# Allegro board LAY-38820_A.brd (continued)
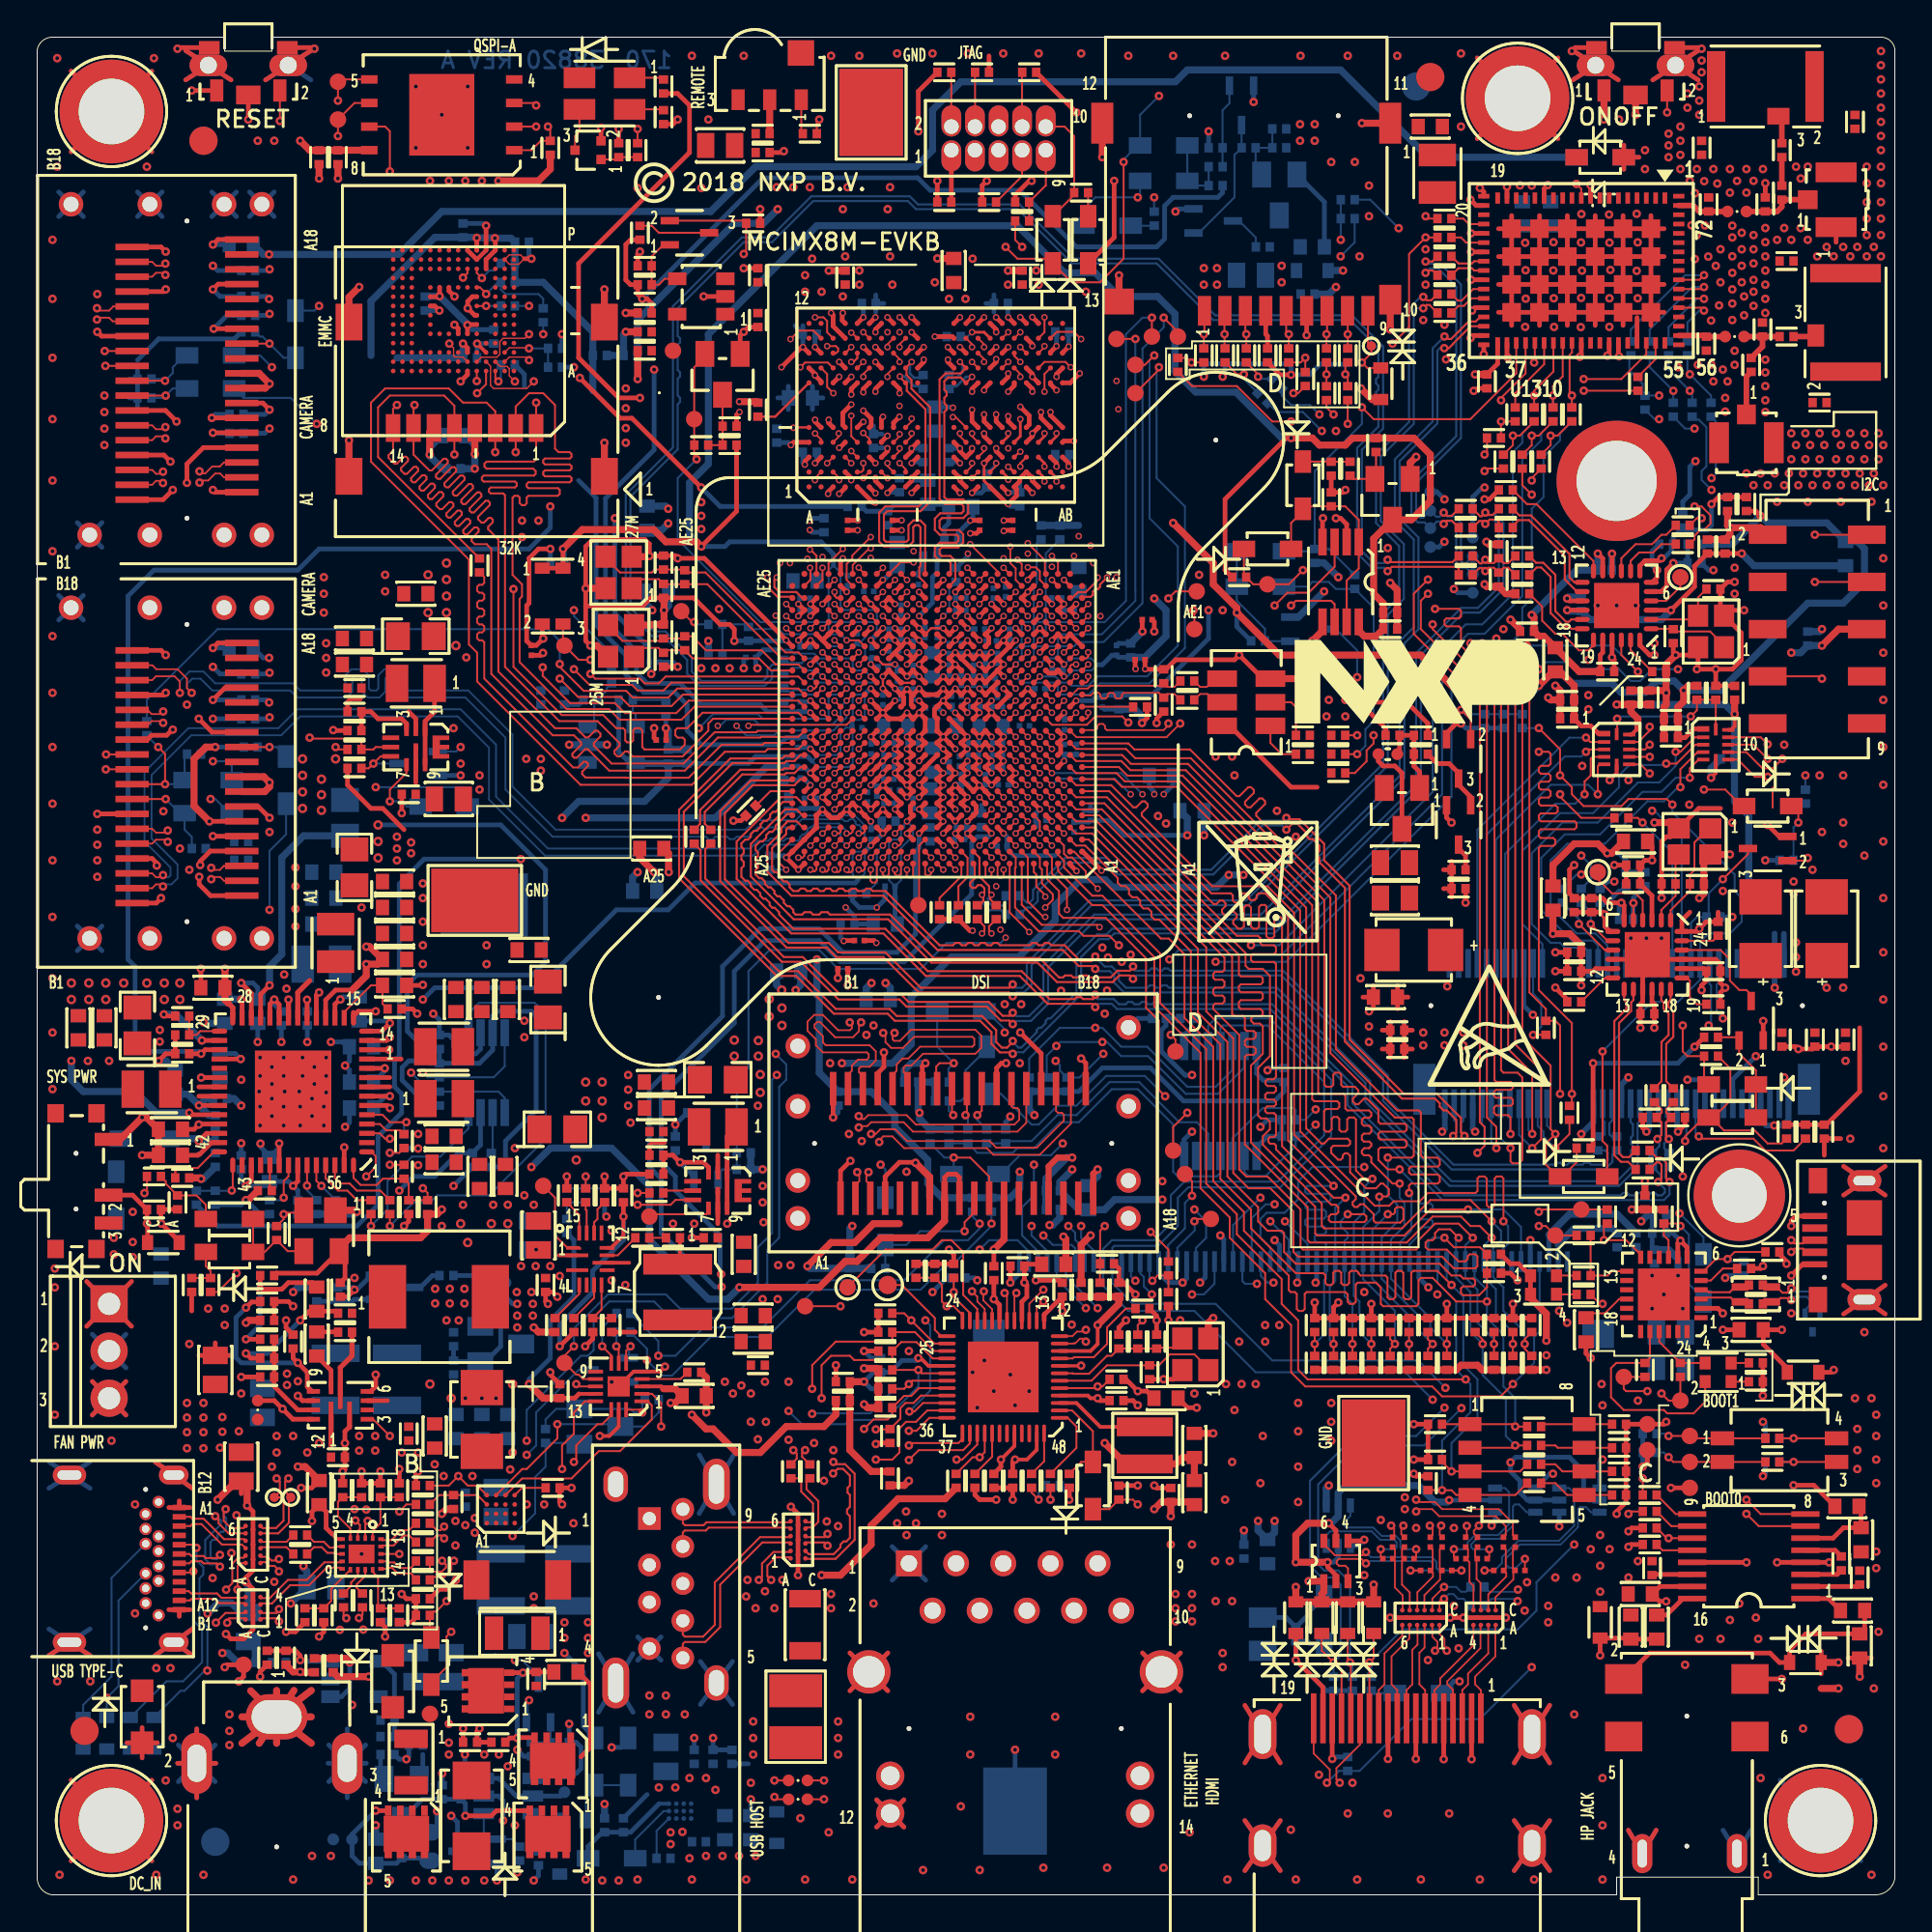
[diagram p0: board, top side]
## Nets (continued)
N99975431: C906.2 U902.C2
N99975460: C908.2 U902.C1
N99975526: R905.2 R912.1 U901.1
N99975530: R906.2 R911.1 U901.4
N99975542: R907.2 R910.1 U901.13
N99975546: R908.2 R909.1 U901.10
N99976142: U901.2 U903.C1
N99976173: U901.3 U903.C2
N99976175: U901.9 U903.C3
N99976189: U901.8 U903.C4
N100755622: C905.1 U901.7
N100755624: C907.1 U901.6
N100828512: D1001.A F1001.2 R1011.1
N101008434: R941.1 U907.7
N101008436: R940.1 U907.8
N101008611: Q906.3 R931.1 U906.B4
N101008640: C913.1 U906.D4
N101008651: C914.2 U907.4
N101008668: Q905.3 R924.2
N101008744: D905.A U906.B1 U906.B2 U906.C1
N101008815: Q901.4 Q902.3 R916.1 R944.2
N101008879: C936.1 D907.A Q901.5 Q910.5 R935.1
N101010200: Q903.2 R914.2 U910.1
N101020581: F902.2 Q909.5
N101061859: D904.A R917.2 R932.2 U905.A1
N101118681: D1602.C J1601.8 R1619.2
N101118689: D1603.C J1601.7 R1618.2
N101118780: D1605.C J1601.3 R1617.2
N101118786: D1606.C J1601.2 R1621.2
N101118794: D1607.C J1601.1 R1620.2
N101139325: D1704.A R1704.2 U1701.9
N101139407: C1707.1 U1701.16
N101139610: R1716.2 U1701.5(VIO)
N101140451: D1702.1 R1703.2
N101140453: D1702.3 R1702.2
N101141295: D1703.4(CATHODE2) R1708.2
N101141297: D1703.2 R1707.2
N101339716: D901.A R901.2 U901.16
N101344123: R903.2 R904.1 U909.3
N101430997: R926.2 U908.C1
N101431025: R927.2 U908.C2
N101784396: R416.2 TP409.1(TP) U101.W19 U401.2
N101800237: J1801.2 R1805.1
N101800242: C1801.1 C1802.1 J1801.1 R1801.1 R1804.2 R1805.2
N101814214: D1201.A R1224.2 U1201.2
N101840031: C407.1 R415.2 R416.1 U401.3(VCC)
N101896717: Q906.1 Q907.3 R930.2
N101902831: Q907.2 R935.2 R946.1
N101995244: C1403.1 C1422.1 C1423.1 L1401.2 U1401.11 U1401.20
N101995252: C1430.1 U1401.2(X2) Y1401.3
N101995256: C1429.1 U1401.1 Y1401.1
N101995353: C1424.1 C1425.1 C1426.1 L1402.1 U1401.3 U1401.16
N101995404: R1421.1 U1401.13
N101995406: TP1401.1(PIN1) U1401.4
N101995408: R1422.1 U1401.14
N101995436: R1423.1 U1401.17
N101995453: R1424.1 U1401.18
N101995570: C1401.1 C1402.1 R1456.2 R1457.2 U1401.7
N101995643: R1412.2 U1401.19
N101995645: R1411.2 U1401.12
N101995688: R1405.2 U1401.23
N102026698: D1401.A D1402.A Q1401.2 R1419.2
N102081058: R841.1 R847.2 U801.2
N102081148: C803.1 D802.A R841.2
N102081821: D801.C D802.C R842.1 U802.1 U802.7
N102095920: R817.2 R823.2 SW802.4
N102095936: R818.2 R824.1 SW802.3(B2)
N102134491: R504.1 U101.A11
N102134913: R506.1 U101.B11
N102135237: R501.1 U101.G25
N102135239: R502.1 U101.C25
N102135943: R503.1 U101.P1
N102136255: R505.1 U101.C17
N102189491: C19.1 C20.1 L101.1 U101.E15 U101.F15
N102271152: R205.2 U101.AA13
N102841136: C917.2 U901.15
N102841139: C918.2 U901.14
N102841178: C920.2 U901.17
N102841181: C919.2 U901.18
N102841248: C922.2 U908.C6
N102841251: C921.2 U908.C5
N102880674: C1110.1 U1101.2
N102887128: C1111.2 U1101.14(VMID)
N102887637: R1101.1 U1101.16
N102887640: R1102.1 U1101.1
N102889416: C1109.1 U1101.5
N102889418: C1109.2 U1101.3
N102889692: R1109.1 U1101.12
N102889696: R1103.2 U1101.10
N102889754: R1104.2 U1101.9
N102924137: R510.1 Y501.4
N102924140: R511.1 Y501.5
N102924518: R508.2 Y501.1
N103556037: D1501.A J1501.A11 R1521.2
N103556044: D1508.A J1501.B8 R1520.2
N103556052: D1509.A J1501.B9 R1519.2
N103556123: J1501.B10 R1502.1
N103556124: J1501.B11 R1501.1
N103592100: J802.2 R843.2
N103620554: R747.1 U706.15
N103620610: C798.1 D706.C(CATHODE) R708.2 SW701.2 U701.12
N103620792: C705.2 L701.1 R703.1 U701.7
N103620806: R704.1 U701.8
N103620818: C705.1 R704.2
N103621061: R702.2 R705.2 R709.1 U701.11
N103621063: C712.1 R703.2 R705.1
N103621294: R706.2 R707.1 U701.6
N103621414: C787.2 L709.1 U706.9
N103621426: L702.1 U702.8 U702.9
N103621824: R731.2 U706.4
N103621960: C727.1 Q702.2 R715.2
N103622061: C788.1 R749.1 U706.7
N103622250: C731.1 C732.1 C733.1 C734.1 L702.2 SH701.1 U702.6
N103622993: R719.1 U702.53
N103622995: R721.1 U702.54
N103623013: R724.1 U702.4
N103623028: R722.1 U702.5
N103623139: C789.1 R744.2 R745.1 R746.1
N103623211: C793.1 U706.13
N103623424: TP704.1(TP) U706.1
N103623433: R743.1 U706.10
N103623437: C787.1 R743.2
N103623474: R744.1 U706.14
N103623492: C789.2 R745.2 R748.2
N103623566: C747.1 R725.1 U702.16
N103623739: C763.2 U702.42
N103623826: C756.2 D704.C(CATHODE) R756.2 U702.40
N103623850: C767.2 C770.1 U702.29
N103623981: C764.1 R757.1 U702.43
N103625600: Q1603.3 R1608.2
N103625608: D1608.A D1609.A R1612.2 R1613.1
N103625614: C1607.2 Q1602.1 R1607.2 R1611.1
N103625632: Q1603.2 Q1604.3 R1611.2
N103625713: C1611.1 Q1604.2 R1613.2
N103625807: Q1601.3 R1602.2
N103625812: Q1601.1(SOURCE) R1601.2 R1604.1 U1601.4
N103635764: C722.1 C723.1 C724.1 L710.2 R752.1 SH708.1 U705.2
N103635890: L710.1 U705.1 U705.9
N103636004: D703.C U705.7
N103636036: R752.2 R753.1 U705.3
N103636723: C714.1 C725.1 C769.1 C778.1 L706.2 R710.1 R764.1 SH709.1 U707.2
N103636825: L706.1 U707.1 U707.9
N103636841: R714.2 U707.5
N103636936: TP701.1(TP) U707.7
N103636955: C714.2 Q704.1(SOURCE) R710.2 R711.1 U707.3
N103650219: C741.1 C742.1 C795.1 L704.2 SH703.1 U702.25
N103650238: C760.1 C761.1 C797.1 L707.2 SH706.1 U702.19
N103650295: L704.1 U702.22
N103650305: C744.1 C745.1 C752.1 C753.1 L705.2 SH704.1 U702.38
N103650457: C738.1 C739.1 C794.1 L703.2 SH702.1 U702.13
N103650494: L707.1 U702.21
N103650496: L703.1 U702.11
N103650498: L705.1 U702.35 U702.36
N103653484: R716.2 R754.2 U704.2 U705.5
N103653503: C726.2 D702.C R717.1
N103653528: C721.1 D701.C R713.2
N103709276: C781.2 C799.2 Q701.1 R712.2 R761.1
N103766552: R1445.1 U1402.7
N103766554: R1443.1 U1402.9
N103766556: R1444.1 U1402.8
N103766558: R1442.1 U1402.10
N103794018: D1503.A J1502.A11 R1505.2
N103794466: D1506.A J1502.B9 R1507.2
N103794467: D1502.A J1502.B8 R1506.2
N103805249: D1507.A J1503.B9 R1510.2 R1530.1
N103805251: D1505.A J1503.B8 R1509.2
N103805253: D1504.A J1503.A11 R1508.2
N103823981: R1447.1 U1403.9
N103823983: R1448.1 U1403.8
N103823994: R1446.1 U1403.10
N103823996: R1449.1 U1403.7
N103824335: D1403.A R1450.2 R1451.1 U1402.12 U1403.12
N103937829: R732.2 U706.6
N103959207: R902.2 R933.1 U909.4
N104086960: C146.2 L104.2 U101.V18
N104210444: TP201.1(TP) U101.AB14
N104210445: TP202.1(TP) U101.AC13
N104225839: L901.1 U905.C2 U905.D1 U905.D2
N104227606: D904.C U905.A2
N104229370: R937.1 U905.A3
N104238302: D1601.1 R1622.2
N104270741: J1801.3 R1804.1
N104271750: J1801.46 R1802.1 R1803.1
N104279466: R1452.2 U1401.8
N104279469: R1453.2 U1401.9
N104332864: R509.2 Y501.2
N104354797: D704.A D705.C(CATHODE)
N104367931: R758.1 R759.1 U703.4
N104519577: J401.9 R407.1 R418.1
N104595634: Q1001.3 R1012.2
N104595636: Q1001.6 R1013.2
N104595703: Q1002.3 R1014.2
N104595705: Q1002.6 R1015.2
N104599354: Q1003.3 R1016.2
N104599356: Q1003.6 R1017.2
N104599400: Q1004.3 R1018.2
N104599402: Q1004.6 R1019.2
N104602033: D1003.C R1007.1
N104764716: R1454.2 R1455.2 U1401.5
N104960202: R760.2 R762.2 U703.3
N104978637: Q702.3 R761.2
N105003630: Q1404.3 R1462.2
N105003644: C1441.2 C1442.2 Q1402.1 R1460.2 R1461.1
N105003650: Q1403.3 Q1404.2 R1461.2
N105003668: C1439.1 Q1403.2 R1458.1 R1459.2
N105090550: J1401.20 R1441.1
N105095140: C1421.2 J1401.35
N105095143: C1420.2 J1401.37
N105095283: J1401.50 R1438.1
N105182437: C929.2 C930.1
N105182502: C931.2 C932.1
N105218199: J1201.2 R1227.2
N105359085: Q903.3 R918.1 R943.2
N105714351: Q704.3 R764.2
N106048338: C935.2 Q908.4 Q909.4 R918.2 R919.1
N106061331: Q908.1 Q908.2 Q908.3(S3) Q909.1 Q909.2 Q909.3(S3) R919.2
N106073648: Q902.1 R942.1
N106076307: C933.1 D910.C(CATHODE) R947.2 U910.6
N106079136: R936.1 R946.2 U910.4
N106113334: D1405.A R1436.1
N106166151: C937.1 F901.2 Q910.1 Q910.2 Q910.3(S3) R948.1
N106166194: C936.2 C937.2 Q910.4 R948.2 R949.1
N106168740: D902.C D903.C R947.1
N106625744: R1529.2 U1501.8
N106628163: R1528.2 U1502.6
N106881255: C1301.2 U1301.27
N106881275: E1301.3 R1306.2
N106881292: C1302.2 U1301.28
N106881333: C1311.2 U1301.31
N106881357: C1312.2 U1301.30
N106881402: C1304.2 U1301.34
N106881423: C1305.2 U1301.33
N106881427: J1301.1 R1302.2
N106881470: R1312.2 U1301.60
N106881490: R1313.2 U1301.61
N106881507: R1314.2 U1301.62
N106881511: R1315.2 U1301.63
N106881616: R1317.2 R1335.2 U1301.43
N106881622: R1316.2 U1301.42
N106881645: R1304.2 R1309.1
N106881647: E1302.3 R1309.2
N106881701: R1318.2 R1337.2 U1301.44
N106881724: R1319.2 R1336.2 U1301.45
N106881789: R1305.2 U1301.25
N106881836: R1320.2 U1301.23
N106881887: R1321.2 U1301.54
N106881908: C1315.1 C1316.1 R1346.2 R1347.2 U1302.7
N106881980: C1320.1 C1321.1 C1322.1 L1307.1 U1302.3 U1302.16
N106882151: C1317.1 C1318.1 C1319.1 L1306.2 U1302.11 U1302.20
N106882181: D1301.C(CATHODE) D1302.A
N106882183: C1307.1 C1308.1 D1302.C(CATHODE) U1301.15 U1301.16 U1301.17
N106882420: C1323.1 U1302.1 Y1301.1
N106882454: C1324.1 U1302.2(X2) Y1301.3
N106882458: R1331.1 U1302.13
N106882530: R1332.1 U1302.14
N106882587: R1326.2 U1302.8
N106882598: R1327.2 U1302.9
N106882615: R1333.1 U1302.17
N106882658: R1334.1 U1302.18
N106882719: R1328.2 U1302.12
N106882743: TP1301.1(PIN1) U1302.4
N106882771: R1329.2 U1302.19
N106882824: R1330.2 U1302.23
N106882988: R1344.2 R1345.2 U1302.5
N106883047: D1303.A D1304.A Q1301.2 R1342.2

Pads without a net: J801 4 6 7 9 10; J1101 5 6; J1401 6 16 38 40 42 44 46 48 59 61 62 64 65 66 67 68 70 71 73; J1502 A10; J1503 A10; J1701 4; SW701 3; U101 AA12 AB10 AB12 AB15 AB16 AC10 AC11 AC12 AC15 AD15 AE11 AE13 AE15; U201 A1 A2 A11 A12 AA1 AA12 AB1 AB2 AB11 AB12 B1 B12 G11 K5 K8 N5 N8; U601 A1 A2 A7 A8 A9 A10 A11 A12 A13 A14 B1 B7 B8 B9 B10 B11 B12 B13 B14 C1 C3 C5 C7 C8 C9 C10 C11 C12 C13 C14 D1 D2 D3 D4 D12 D13 D14 E1 E2 E3 E5 E8 E9 E10 E12 E13 E14 F1 F2 F3 F10 F12 F13 F14 G1 G2 G3 G10 G12 G13 G14 H1 H2 H3 H12 H13 H14 J1 J2 J3 J12 J13 J14 K1 K2 K3 K6 K7 K10 K12 K13 K14 L1 L2 L3 L12 L13 L14 M1 M2 M3 M7 M8 M9 M10 M11 M12 M13 M14 N1 N3 N6 N7 N8 N9 N10 N11 N12 N13 N14 P1 P2 P7 P8 P9 P10 P11 P12 P13 P14; U701 4; U702 2 33 44 46; U705 4; U706 5; U707 4; U1201 42 43 45 46; U1301 2 3 4 5 6 7 8 11 12 13 47 48 51 65 66 67; U1501 6 9; U1701 10 11 18 19 22

## Via types
v1: diameter 0.457, hole 0.203, TOP to BOTTOM, 1958 vias
v2: diameter 0.356, hole 0.203, TOP to BOTTOM, 711 vias
v3: diameter 0.508, hole 0.254, TOP to BOTTOM, 54 vias

## Routing (per net, layer and track width the routed paths; a pad name or vN(x,y) marks a point on that pad's centre or on a via; arc(x,y) is an arc through that point)
GND: length 3184.9
  TOP w0.076: U601.N2 25.41,88.28 26.02,88.28 26.22,88.07 25.93,87.78 25.41,87.78 U601.N2
  TOP w0.107: 93.42,58.53 93.42,59.61
  TOP w0.152: U201.T1 50.97,76.12 v2(50.97,77.07)
  TOP w0.203: U601.C4 24.16,83.03 v1(23.68,83.5) ; v1(33.79,28.43) 33.53,28.17 U907.5 32.11,28.17 U907.17 ; U1402.6 85.03,60.39 v1(84.64,60.01) ; v1(90.11,60.13) 90.36,60.39 U1403.6
  TOP w0.229: U601.N5 23.67,88.03 U601.P4
  TOP w0.254: U101.T13 v2(48.77,65.58) U101.T12 v2(49.42,65.58) U101.T11 v2(50.07,65.58) U101.T10 v2(50.72,65.58) U101.T9 U101.U8 ; U1301.78 79.37,90.39 ; U1301.78 80.08,89.69 ; U1301.78 79.37,88.98 ; U1301.78 78.67,89.69 ; U1301.32 77.4,85.44 v1(77.24,85.28) ; v1(91.88,69.15) 91.1,69.15 Y1301.2 ; C719.2 v1(19.63,58.23) ; v1(71.44,19.11) 71.38,19.06 Q1001.4 ; v1(22.54,16.95) 22.03,16.45 21.65,16.45 C902.2 ; v1(53.76,33.08) 55.05,33.08 C1214.2 ; BH1403.1 81.86,94.54 ; BH1403.1 81.86,98.88 ; BH1403.1 77.52,98.88 ; BH1403.1 77.52,94.54 ; U1301.49 84.62,82.95 v1(84.52,82.85) ; 2.67,33.02 J802.1 ; J802.1 5.08,33.02 ; J802.1 2.67,30.61 ; J802.1 5.08,30.61 ; v2(47.72,82.64) 47.72,82.52 U201.K9 ; U101.E20 v2(43.58,58.43) ; v2(43.58,58.43) U101.F20 v2(44.23,58.43) U101.E19 v2(44.88,57.78) ; v2(43.58,58.43) U101.E21 43.12,57.97 42.73,57.97 U101.E22 v2(42.28,58.43) U101.E23 U101.D23 41.3,56.81 U101.C24 U101.B25 v2(40.33,55.83) v2(40.97,55.18) U101.A24 ; U1301.76 83.08,89.69 ; U1301.76 82.37,88.98 ; U1301.76 81.67,89.69 ; U1301.76 82.37,90.39 ; C1310.2 77.56,81.1 77.42,80.96 v1(77.33,80.96) ; J901.A1 7.65,21.21 ; J901.A1 7.09,20.85 ; J901.A1 8.21,20.85 ; R829.1 v1(71.82,31.81) ; R829.1 R828.1 R827.1 R826.1 R825.1 ; R829.1 R830.1 R831.1 ; C1411.2 v1(96.58,45.66) C1413.2 95.56,45.53 v1(94.8,45.53) 94.67,45.66 C1415.2 ; U101.H17 v2(45.53,59.73) ; v2(45.53,59.73) U101.G18 ; v2(45.53,59.73) U101.G17 U101.F16 v2(46.18,58.43) U101.E16 ; U101.C15 47.15,56.81 v2(46.83,57.13) U101.D15 ; J1501.A4 45.65,38.66 46.42,39.43 47.26,39.43 v1(47.28,39.41) ; C1412.2 72.84,45.99 ; C1412.2 72.84,45.07 ; C1412.2 72.41,45.53 ; v1(11.3,20.95) 11.62,20.64 U902.B3 U902.B2 U902.B1 11.62,17.46 11.23,17.07 v1(11.23,16.85) 11.62,16.46 U903.B2 U903.B1 11.62,14.29 11.11,13.78 10.43,13.78 v1(10.16,14.04) ; U101.E14 v2(47.48,58.43) U101.F14 ; v2(50.07,64.28) U101.P11 v2(50.07,63.63) ; v1(14.92,99.38) 14.86,99.44 SW1702.4 ; v1(8.78,55.43) 8.78,55.64 9.33,56.19 J1503.A4 ; v2(43.37,71.94) 43.25,71.83 U101.AE21 ; v2(51.62,84.12) 51.62,84.27 U201.T12 ; U1301.85 86.08,85.19 ; U1301.85 85.37,85.89 ; U1301.85 85.37,84.48 ; U1301.85 84.67,85.19 ; v1(33.84,62.8) 33.86,62.79 C33.2 ; J901.SH2 8.35,12.89 ; J901.SH2 6.35,12.89 ; J901.SH2 8.35,14.31 ; C1201.2 52.39,32.96 v1(52.39,32.96) ; v2(47.48,61.68) U101.L14 v2(47.48,62.33) U101.M14 U101.N14 v2(47.48,63.63) ; v1(22.46,84.52) 22.66,84.31 U601.E7 ; U201.V5 52.27,79.32 v2(52.27,79.59) ; 12.3,97.7 SW1702.6 14.74,99.28 ; v2(44.88,68.18) 44.87,68.18 U101.Y19 ; R512.2 60.26,63.32 v1(60.26,63.08) ; v2(51.37,68.18) U101.Y9 51.23,67.68 51.23,67.39 U101.W9 ; 46.16,66.86 45.86,66.56 U101.V17 ; 46.16,66.86 46.47,66.56 U101.V16 ; 46.16,66.86 46.5,67.2 U101.W16 ; v2(54.55,79.82) 54.55,79.65 U201.AB5 ; U601.H10 21.4,85.53 v1(21.65,85.28) ; v1(77.15,91.25) 77.46,90.94 U1301.21 ; v2(43.82,76.16) 43.82,76.27 U201.D2 ; U1601.2 v1(35.88,86.04) ; U101.AB9 v2(50.72,68.83) ; C703.2 10.47,29.04 ; C703.2 9.59,29.71 ; C703.2 8.71,29.04 ; v1(90.36,65.98) 91.25,65.98 91.73,66.46 91.73,67.93 Y1301.2 ; v1(90.36,65.98) v1(89.34,65.98) 89.41,66.04 Y1301.4 88.99,66.74 v1(88.2,66.74) 88.07,66.86 C1323.2 ; v1(90.36,65.98) R1451.2 C1437.2 ; v2(54.62,67.53) U101.Y3 v2(55.27,67.53) U101.Y2 U101.W1 ; R753.2 15.96,62.67 v1(15.94,62.7) ; J1502.A4 8.94,77.91 8.06,77.02 v1(8.06,76.01) ; U1301.92 80.87,88.89 ; U1301.92 80.17,88.19 ; U1301.92 81.58,88.19 ; U1301.92 80.87,87.48 ; J1503.A18 9.73,67.39 v1(9.46,67.12) ; U1301.50 85.12,82.85 v1(85.15,82.82) ; U101.P23 v2(41.63,64.28) ; J1201.12 46.65,3.65 ; J1201.12 45.19,3.65 ; J1201.12 46.65,5.12 ; J1201.12 45.19,5.12 ; U1302.24 86.28,67.27 86.8,66.74 v1(87.06,66.74) ; U101.A2 55.6,55.46 v2(55.95,55.11) ; v1(12.51,79.95) 12.15,80.3 J1502.A7 ; U101.Y7 v2(52.02,67.53) ; v2(52.02,67.53) U101.W8 ; v2(52.02,67.53) U101.W7 ; U101.AD11 v2(49.42,70.13) ; R1616.2 v1(31.3,95.06) ; C711.2 13.4,30.54 v1(13.4,30.92) ; v1(32.45,88.45) 32.33,88.33 R1604.2 ; U201.J12 v2(46.42,84.92) ; C1203.2 v1(43,28.51) ; v1(81.72,49.72) C1423.2 C1403.2 v1(81.72,50.74) ; 81.67,85.19 U1301.83 ; U1301.83 82.37,84.48 ; U1301.83 82.37,85.89 ; U1301.83 83.08,85.19 ; 42.28,67.53 U101.Y22 v2(42.93,68.18) ; 42.28,67.53 U101.Y23 ; 42.28,67.53 U101.W22 ; J1001.G2 66.92,7.1 ; J1001.G2 65.01,7.1 ; J1001.G2 65.01,10.2 ; J1001.G2 66.92,10.2 ; v2(42.93,68.18) U101.AA21 ; v2(42.93,68.18) U101.Y21 ; U1301.96 85.37,87.39 ; U1301.96 86.08,86.69 ; U1301.96 85.37,85.98 ; U1301.96 84.67,86.69 ; J1502.A15 9.74,86.7 v1(9.46,86.42) ; U1301.73 87.58,89.69 ; U1301.73 86.17,89.69 ; U1301.73 86.87,90.39 ; U1301.73 86.87,88.98 ; 82.67,97.7 SW1701.7 ; SW1701.7 85.11,97.7 ; SW1701.7 82.67,99.28 ; U201.AB3 55.52,77.07 v2(55.52,76.89) ; v1(7.51,79.31) 6.91,79.91 J1502.B7 ; Y403.2 27.19,67.68 v1(27.24,67.63) 26.87,67.26 C138.2 26.59,67.26 26.35,67.5 26.35,69.4 26.48,69.53 26.48,71.94 26.99,72.45 v1(27.62,72.45) ; 10.11,21.66 C701.2 10.98,21.6 ; J1501.B12 51.65,44.51 51.9,44.77 v1(52.16,44.77) ; 97.24,39.22 J1701.S2 ; J1701.S2 97.24,37.67 ; J1701.S2 99.48,39.22 ; J1701.S2 99.48,37.67 ; 80.87,85.98 U1301.93 ; U1301.93 80.17,86.69 ; U1301.93 81.58,86.69 ; U1301.93 80.87,87.39 ; v2(47.48,60.38) U101.J14 U101.K13 ; 84.67,88.19 U1301.89 ; U1301.89 85.37,87.48 ; U1301.89 85.37,88.89 ; U1301.89 86.08,88.19 ; U101.T3 v2(54.62,64.93) U101.T4 ; U601.A6 23.17,81.84 v1(22.8,81.47) ; v1(29.5,29.53) 29.91,29.93 C788.2 ; U201.V12 v2(52.27,84.92) ; v1(52.51,21.27) C1209.2 C1211.2 ; U101.AD13 v2(48.77,70.78) ; U101.V23 v2(41.63,66.23) ; 98.73,12.75 C1102.2 97.48,12.75 ; v2(45.53,63.63) U101.P17 v2(46.18,64.28) ; v2(45.53,63.63) U101.P18 v2(44.88,64.28) ; v2(45.53,63.63) U101.N17 U101.N16 v2(46.83,63.63) U101.N15 v2(47.48,63.63) ; v2(45.53,63.63) U101.N18 ; R831.1 69.79,31.64 v1(70.04,31.89) ; R831.1 R832.1 v1(68.77,31.89) ; U201.V8 52.6,81.24 v2(52.27,80.92) ; U201.C5 42.61,79.23 v2(42.61,79.41) ; 82.37,85.98 U1301.94 ; U1301.94 82.37,87.39 ; U1301.94 81.67,86.69 ; U1301.94 83.08,86.69 ; U101.H9 v2(51.37,59.73) 51.38,59.73 U101.H8 ; U101.M8 v2(52.02,62.33) U101.L8 v2(52.02,61.68) U101.K8 v2(52.02,61.03) U101.J8 v2(52.02,60.38) ; U201.A10 v2(41.22,83.32) 41.15,83.32 v2(40.07,82.23) ; U1301.86 87.58,85.19 ; U1301.86 86.17,85.19 ; U1301.86 86.87,84.48 ; U1301.86 86.87,85.89 ; U101.K11 v2(50.07,61.68) U101.L11 v2(50.07,62.33) U101.M11 U101.N12 ; J1502.B18 6.67,88.7 v1(6.92,88.45) ; v2(47.48,64.28) U101.P14 v2(47.48,63.63) ; R909.2 13.9,14.16 v1(13.4,14.16) ; v2(52.03,64.93) U101.R7 U101.P8 ; v1(14.03,26.86) 14.03,26.86 14.29,26.6 U701.10 ; v1(6.44,55.41) 6.44,55.53 6.18,55.79 J1503.B4 ; C1605.2 66.9,81.83 v1(67.5,81.83) ; v1(8.72,54.8) 8.72,54.39 9.33,53.79 J1503.A1 ; v2(45.53,79.56) 45.45,79.48 U201.G5 ; D908.A 6.46,8.19 ; D908.A 5.65,9 ; D908.A 5.65,7.37 ; D908.A 4.84,8.19 ; 87.15,3.48 J1101.4 85.65,3.48 ; 71.37,48.32 C1416.2 ; C1416.2 71.93,48.95 ; C1416.2 71.93,47.7 ; v2(50.35,51.9) 50.21,51.9 R506.2 R504.2 ; U1701.2 90.48,31.57 v1(90.74,31.3) ; J1001.G1 81.42,7.1 ; J1001.G1 79.51,10.2 ; J1001.G1 81.42,10.2 ; J1001.G1 79.51,7.1 ; v1(47.81,44.77) 47.65,44.6 J1501.B7 ; C1707.2 83.37,29.15 v1(83.63,28.89) ; Q1403.1 75.87,62.53 76.39,63.05 v1(76.64,63.05) ; v2(50.07,57.78) 50.08,57.78 U101.E10 50.55,58.25 50.55,58.61 U101.F10 ; R825.1 v1(75.88,31.81) ; R825.1 R837.1 R836.1 R834.1 ; U101.W16 v2(46.18,67.53) U101.Y17 v2(45.53,67.53) ; U101.W16 v2(46.83,67.53) U101.W15 ; U201.G1 45.12,76.12 v2(45.12,76.27) ; U1301.52 86.12,84.91 ; SW1702.5 7.62,99.44 v1(7.56,99.38) ; v2(45.12,84.12) 45.12,84.27 U201.G12 ; U201.T3 v2(50.97,77.07) ; v1(26.61,88.07) 26.22,88.07 ; v1(40.96,17.21) U908.B1 U908.B2 U908.B3 40.96,20.51 v1(40.58,20.89) ; J1502.A12 v1(9.5,84.3) ; C754.2 v1(8.81,49.85) ; v2(52.02,70.78) 52.03,70.78 U101.AD7 ; 1.83,6.17 BH1401.1 ; BH1401.1 1.83,1.83 ; BH1401.1 6.17,6.17 ; BH1401.1 6.17,1.83 ; U101.Y5 v2(53.97,68.18) U101.Y4 ; R1428.2 88.7,41.46 v1(88.33,41.08) ; 8.35,21.89 J901.SH1 6.35,23.31 ; v2(42.57,75.42) 42.57,75.52 U201.C1 ; 97.24,31.27 J1701.S1 ; J1701.S1 99.48,31.27 ; J1701.S1 99.48,32.82 ; J1701.S1 97.24,32.82 ; J1001.8 v1(74.21,7.32) ; v1(28.26,21.02) 28.12,21.15 C913.2 v1(28.76,21.91) ; U1301.88 86.87,88.89 ; U1301.88 87.58,88.19 ; U1301.88 86.17,88.19 ; U1301.88 86.87,87.48 ; C122.2 v1(43.1,49.35) ; U101.AC22 v2(42.28,69.48) ; U101.T14 v2(47.48,65.58) U101.U15 v2(46.83,65.58) U101.U16 ; 83.87,84.48 U1301.84 ; U1301.84 83.17,85.19 ; U1301.84 83.87,85.89 ; U1301.84 84.58,85.19 ; U601.J5 23.43,86.03 23.18,85.78 v1(23.18,85.41) 23.55,85.03 U601.G5 ; v2(52.03,73.42) 52.07,73.46 C160.2 ; U201.W4 53.57,78.52 v2(53.57,78.67) U201.Y5 ; 86.87,85.98 U1301.87 ; U1301.87 86.87,87.39 ; U1301.87 87.58,86.69 ; U1301.87 86.17,86.69 ; J901.A12 8.21,15.35 ; J901.A12 7.09,15.35 ; J901.A12 7.65,14.99 ; v1(74.1,22.67) 74.24,22.54 R839.1 ; SW1702.3 v1(11.37,95.57) ; C35.2 v2(46.53,73.46) ; U1301.80 80.08,86.69 ; U1301.80 79.37,87.39 ; U1301.80 78.67,86.69 ; U1301.80 79.37,85.98 ; U601.P6 U601.N5 ; v1(45.15,24.27) 45.2,24.33 R1219.2 ; v1(9.46,75.63) 9.58,75.51 J1502.A1 ; v1(77.16,83.8) 77.29,83.94 U1301.35 ; v1(74.1,25.34) R835.1 R838.1 v1(74.1,23.43) ; U101.AD16 v2(46.18,70.13) ; R1108.2 85.84,19.75 v1(85.66,19.57) ; U1302.21 v1(84.78,66.61) 84.89,66.49 C1318.2 ; v1(18.73,13.91) 18.73,14.42 R910.2 ; U101.C8 v2(51.37,56.48) ; 2.97,27.64 J802.3 ; J802.3 4.78,25.83 ; J802.3 4.78,27.64 ; J802.3 2.97,25.83 ; U1301.29 v1(77.19,86.94) ; C1440.2 v1(76.89,53.41) ; R407.2 52.65,91.51 53.4,92.26 v1(53.53,92.26) ; C36.2 v2(44.17,73.46) ; U1301.20 77.87,91.67 v1(77.66,91.88) ; C901.2 14.78,21.91 v1(14.21,21.91) ; R1427.2 86.43,41.28 v1(86.63,41.08) ; v2(46.83,68.83) U101.AA16 v2(46.18,68.83) ; v1(93.66,17.9) U1101.4 v1(96.46,17.9) ; v1(20.76,48.98) 20.74,48.96 C747.2 ; J1503.A12 9.42,62.59 v1(8.7,63.31) ; U101.AE5 v2(53.33,70.78) ; v2(45.77,77.87) 45.77,77.72 U201.G3 ; v2(50.07,61.03) U101.J11 v2(50.07,60.38) U101.H11 U101.G10 v2(50.72,59.73) ; J1503.B15 6.8,64.59 v1(6.92,64.71) ; U1301.90 84.58,88.19 ; U1301.90 83.87,88.89 ; U1301.90 83.17,88.19 ; U1301.90 83.87,87.48 ; U1301.75 84.58,89.69 ; U1301.75 83.17,89.69 ; U1301.75 83.87,88.98 ; U1301.75 83.87,90.39 ; C1219.2 R1220.2 v1(44.51,30.29) ; R1216.2 58.23,33.71 C1205.2 58.49,32.95 v1(59.12,32.32) ; v2(55.52,83.34) 55.2,83.02 U201.AB10 ; 81.67,88.19 U1301.91 ; U1301.91 82.37,88.89 ; U1301.91 83.08,88.19 ; U1301.91 82.37,87.48 ; J1001.17 v1(69.71,7.32) ; U201.N4 v2(49.67,77.87) 49.67,77.72 U201.P3 50.32,77.72 v2(50.32,77.87) ; J902.2 8.59,8.94 ; J902.2 8.59,5.23 ; J902.2 9.62,7.08 ; J902.2 7.56,7.08 ; U201.D4 43.2,77.89 v2(43.17,77.89) ; U1302.15 82.49,69.65 v1(82.36,69.79) ; J1501.B18 56.45,44.77 v1(56.2,45.02) ; R834.1 v1(79.44,31.81) ; R834.1 R833.1 ; U401.1 37.84,83.94 v1(38.04,84.14) 38.3,84.4 C1602.2 ; U101.Y15 v2(47.48,67.53) U101.W14 ; J1701.5 94.68,36.54 94.42,36.29 v1(94.42,36) ; J1502.A18 9.73,89.1 v1(9.46,88.84) ; TP1704.1 86.68,23.3 v1(86.42,23.05) ; U1301.26 v1(77.19,88.44) ; C1414.2 72.84,47 ; C1414.2 72.41,46.54 ; C1414.2 72.84,46.09 ; U702.48 v1(13.03,40.45) ; Q1401.1 v1(92.91,47.04) ; U101.B1 56.28,56.16 v2(57.3,55.14) ; v2(37.81,79.82) 37.65,79.66 C407.2 ; v1(52.92,46.42) 54.05,45.29 J1501.B15 ; J1503.B1 6.41,53.39 6.67,53.64 v1(6.67,53.66) ; U702.15 17.03,47.31 17.28,47.56 v1(18.22,47.56) ; C117.2 59.49,68.02 v1(59.5,68.01) ; v2(55.92,69.48) U101.AB2 v2(55.92,68.83) ; R1221.2 C1218.2 C1217.2 49.34,34.48 v1(49.08,34.73) ; R912.2 v1(19.49,22.92) ; J1503.A15 10.12,64.99 v1(9.46,64.32) ; 85.37,88.98 U1301.74 ; U1301.74 85.37,90.39 ; U1301.74 84.67,89.69 ; U1301.74 86.08,89.69 ; 29.53,69.38 v1(29.53,70.32) 29.53,72.58 29.91,72.96 32.71,72.96 32.96,72.72 v1(32.96,72.07) 33.7,72.07 C405.2 34.33,72.09 v1(34.48,71.94) 35.91,71.94 v2(40.33,67.53) U101.W25 ; 29.53,69.38 29.53,67.5 v1(29.78,67.25) ; 29.53,69.38 32.6,69.38 33.04,69.82 C404.2 35.34,69.82 36.77,68.39 37.27,68.39 37.53,68.13 v1(37.53,67.5) ; C1221.2 v1(60.26,30.92) 60.26,31.17 R1211.2 ; U101.AD9 v2(50.72,70.13) ; U1301.95 83.87,87.39 ; U1301.95 83.17,86.69 ; U1301.95 83.87,85.98 ; U1301.95 84.58,86.69 ; U1302.10 v1(84.78,72.19) ; 8,97.7 SW1702.7 ; SW1702.7 10.44,97.7 ; SW1702.7 8,99.28 ; v1(84.9,55.43) C1426.2 C1424.2 ; Y1301.2 90.61,69.06 C1324.2 90.99,70.67 v1(91.38,70.67) ; U101.Y11 v2(49.42,67.53) U101.W12 ; U1301.46 83.12,82.93 83.04,82.84 v1(83.04,82.79) ; v2(41.33,76.99) 41.33,77.17 U201.A3 ; v2(45.12,74.94) 45,74.94 U201.E1 ; 79.51,4 J1001.G3 ; J1001.G3 81.42,4 ; J1001.G3 79.51,1.31 ; J1001.G3 81.42,1.31 ; U101.K17 v2(45.53,61.03) U101.J18 v2(44.88,60.38) ; v1(82.74,55.43) 82.49,55.18 82.49,53.9 C1402.2 C1401.2 84.27,53.65 84.52,53.4 v1(85.28,53.4) 85.43,53.26 U1401.6 ; v2(44.47,79.29) 44.45,79.29 U201.E5 ; v1(28,32.19) 28,32.2 27.75,32.45 C773.2 27.37,31.94 v1(27.49,31.81) ; 2.85,12.89 J901.SH4 0.63,12.89 ; v1(43.78,39.51) 43.25,38.98 J1501.A1 ; U101.Y24 v2(40.98,67.53) ; R747.2 v1(28.51,38.67) ; R1412.1 90.61,48.57 v1(90.87,48.83) 90.61,49.09 C1422.2 90.61,50.11 90.35,50.36 U1401.21 87.69,50.36 87.44,50.61 U1401.25 ; Y501.3 65.98,65.47 v1(64.71,66.74) 64.45,66.48 61.28,66.48 60.77,65.97 R513.2 59.66,65.97 v2(59.64,65.99) C137.2 ; v2(49.67,83.32) U201.P10 ; U1301.24 v1(77.19,89.44) ; 65.01,4 J1001.G4 ; J1001.G4 66.92,1.31 ; J1001.G4 66.92,4 ; J1001.G4 65.01,1.31 ; v1(76.14,57.72) 75.87,57.99 Q1404.1 ; v2(50.97,80.99) 50.97,81.07 U201.T8 ; U101.E4 v2(54.62,57.78) ; U101.C10 50.4,56.81 v2(50.07,57.13) 50.08,57.13 U101.D10 ; J1501.B4 45.25,44.23 45.58,44.56 v1(45.58,45.35) ; C1207.2 58.99,26.61 v1(59.24,26.35) ; v1(19.75,36) 20,36.26 C777.2 ; U101.W11 v2(50.07,67.53) U101.W10 ; U101.L17 v2(45.53,61.68) ; v1(59.47,63.08) 59.75,63.35 R503.2 ; U101.U8 v2(52.02,65.58) ; U101.U8 v2(52.02,66.23) U101.V8 ; v2(40.98,68.83) U101.AB24 v2(40.98,69.48) ; C916.1 27.62,28 v1(27.62,28.13) ; v1(88.33,82.23) 88.26,82.3 ; v2(44.23,60.38) U101.J19 v2(44.88,61.03) U101.K18 ; U101.V4 v2(54.62,66.23) ; U201.W11 53.57,83.47 v2(53.57,83.37) ; C402.2 v1(34.48,66.11) ; U1301.77 81.58,89.69 ; U1301.77 80.17,89.69 ; U1301.77 80.87,90.39 ; U1301.77 80.87,88.98 ; U201.K4 v2(47.07,77.87) 47.07,77.72 U201.J3 ; U101.J12 v2(49.42,60.38) U101.H12 ; U101.C13 v2(48.77,56.48) ; U1301.81 80.08,85.19 ; U1301.81 79.37,84.48 ; U1301.81 79.37,85.89 ; U1301.81 78.67,85.19 ; SW1701.4 89.54,99.44 v1(89.6,99.38) ; v1(3.24,84.14) 3.47,83.91 J1502.B12 ; C177.2 50.57,73.29 v2(50.23,73.29) ; v1(87.19,71.31) 87.19,70.91 86.94,70.65 U1302.6 ; C721.2 6.67,36.9 C798.2 6.66,36.16 v1(6.69,36.14) 7.64,35.18 D706.A ; U101.N3 v2(55.27,63.63) ; R1218.2 v1(44.51,29.27) ; v2(56.12,81.9) 55.61,81.39 U201.AB8 ; U101.H10 v2(50.72,59.73) ; v2(50.72,59.73) U101.G9 v2(51.38,59.08) ; J1502.B4 6.82,77.51 v1(7.17,77.15) ; v1(6.92,66.74) 6.67,66.99 J1503.B18 ; R1226.2 58.23,30.54 v1(58.61,30.92) ; v1(18.99,46.93) 18.55,46.49 U702.14 ; J1001.2 v1(77.21,7.3) ; C1705.2 93.78,34.49 94.17,34.1 v1(94.17,33.97) ; C803.2 R842.2 70.29,75.49 v1(70.42,75.63) ; U201.P12 v2(50.32,84.92) ; U101.Y13 v2(48.77,67.53) U101.W13 ; v2(49.02,82.64) 49.02,82.52 U201.N9 ; L1305.2 v1(93.03,92.14) ; R408.2 51.24,98.99 ; 1.83,98.17 BH1402.1 ; BH1402.1 6.17,98.17 ; BH1402.1 1.83,93.83 ; BH1402.1 6.17,93.83 ; v1(69.91,74.1) 70.17,74.1 70.49,73.78 U802.2 ; SW1701.6 89.41,99.28 ; SW1701.6 89.41,97.7 ; SW1701.6 86.97,97.7 ; Y1201.4 61.15,27.76 v1(60.64,27.76) C1220.2 ; SW1702.1 v1(8.32,97.13) ; U201.C8 v2(43.17,81.72) ; v1(77.91,75.12) 78.17,75.12 R1328.1 ; 80.87,84.48 U1301.82 ; U1301.82 80.17,85.19 ; U1301.82 81.58,85.19 ; U1301.82 80.87,85.89 ; v1(93.15,57.59) 93.77,56.97 Q1405.1 ; U101.W7 U101.V8 ; U101.W7 v2(52.67,67.53) ; U101.V8 v2(51.37,66.23) U101.U9 v2(50.72,66.23) ; U201.E12 v2(44.47,84.92) ; v1(40.19,93.87) 40.12,93.79 C1609.2 ; v1(6.54,44.89) 6.92,45.27 C768.2 C770.2 ; U101.J17 v2(45.53,60.38) U101.H18 v2(44.88,59.73) ; 96.04,13.12 TVS1103.1 96.04,11.9 ; 90.49,52.89 R1405.1 89.85,52.38 v1(89.47,52.01) 89.32,51.86 U1401.24 88.54,52.47 88.96,52.89 ; v2(50.97,79.69) 50.97,79.32 U201.T5 ; U201.D11 42.85,84.44 U201.C12 42.85,85.04 v2(42.73,85.15) ; U702.32 v1(10.96,44.99) ; v1(72.83,14.92) U1001.B3 U1001.B2 U1001.B1 v1(76.06,14.92) v1(76.77,14.92) U1002.B2 U1002.B1 v1(79.06,14.92) ; U101.AC19 44.55,69.81 v2(44.88,69.48) U101.AB18 ; C1213.2 v1(51.5,34.73) ; U1301.79 79.37,88.89 ; U1301.79 78.67,88.19 ; U1301.79 79.37,87.48 ; U1301.79 80.08,88.19 ; U201.N11 49.26,83.88 v2(48.32,83.88) ; R406.2 50.87,92.02 v1(51.12,92.26) ; v2(49.42,68.83) U101.AB11 v2(49.42,69.48) ; v1(7.3,75.63) 6.78,75.11 J1502.B1 ; U601.P4 v1(24.17,89.85) ; R501.2 37.88,57.82 v1(37.48,57.82) ; U1401.25 86.04,50.61 85.79,50.36 U1401.10 ; U1401.25 86.68,49.97 86.43,49.72 U1401.15 86.43,48.07 86.3,47.95 C1425.2 v1(86.3,46.67) ; R711.2 31.69,38.8 v1(31.56,38.67) C774.1 C793.2 v1(30.54,38.67) ; v1(6.92,86.42) 6.8,86.3 J1502.B15 ; U101.P6 v2(53.32,64.28) ; v1(81.72,48.84) 82.37,48.2 R1411.1 ; U1301.9 v1(83.62,92.03) ; U1301.38 79.12,82.8 v1(79.17,82.75) ; C776.2 v1(35.24,35.37) ; v1(22.47,86.04) 22.17,86.34 U601.K8 ; J1001.11 v1(72.71,7.32) ; U201.P1 49.67,76.12 v2(49.67,76.27) U201.N2 ; C1212.2 60.27,21.9 v1(60.13,22.03) ; U101.M17 v2(45.53,62.33) ; J1503.B7 v1(3.24,58.19) ; U201.G8 45.12,81.07 v2(45.12,80.92) ; U101.AC4 v2(54.62,69.48) ; U101.D13 v2(48.77,57.78) U101.E13 v2(48.77,58.43) U101.F13 v2(48.78,59.08) U101.G13 v2(48.78,59.73) U101.H13 v2(48.77,60.38) U101.J13 ; U201.Y12 53.9,84.6 v2(53.57,84.93) ; J1302.2 96.84,88.96 ; v1(87.45,53.66) C1430.2 87.45,56.7 87.7,56.96 87.92,56.96 Y1401.2 89.45,58.48 90.61,58.48 ; J1503.A7 11.9,58.59 v1(12.51,57.97) ; SW1701.5 82.8,99.44 v1(82.61,99.25) ; U201.D9 v2(43.17,82.52) ; U101.G24 v2(41.63,59.73) ; R911.2 v1(16.45,22.8) 16.57,22.92 C704.2 v1(16.57,24.31) 16.57,24.95 16.82,25.2 U701.2 ; v2(43.42,51.35) 43.45,51.37 C121.2 ; U101.K23 v2(41.63,61.68) ; v1(17.08,32.57) 16.71,32.2 C720.2 ; v1(7.3,62.72) 7.28,62.72 6.97,62.42 6.16,62.42 5.93,62.19 J1503.B12 ; U101.AA5 v2(53.97,68.83) ; Q1605.2 v1(30.35,95.12) ; R1605.2 v1(38.92,90.74) ; U1301.18 v1(79.12,91.96) ; U101.U18 v2(44.88,66.23) ; C1601.2 v1(38.04,87.56) ; U201.Y1 53.57,76.12 v2(53.57,76.27) U201.W2 52.89,76.24 52.89,76.09 U201.V1 52.72,75.67 52.72,75.31 v2(52.27,74.87) 52.22,74.87 U201.T1 ; U101.J3 v2(55.27,61.03) ; U1101.13 v1(92.01,17.9) ; U201.E8 43.82,81.07 v2(43.82,80.76) ; 97.08,40.71 C1410.2 96.2,39.81 ; R717.2 8.32,31.43 ; v2(47.07,83.32) U201.J10 ; v1(79.69,33.08) 79.31,33.46 R840.1 ; C1206.2 61.93,26.22 v1(62.42,26.22) ; U201.K2 v2(47.07,76.27) 47.07,76.12 U201.J1 ; TVS1701.1 96.58,28.13 v1(96.71,28.26) ; U201.G10 v2(45.12,83.32) ; U1301.14 81.12,91.84 v1(81.32,92.04) ; R709.2 v1(10.98,27.88) ; v1(69.22,74.1) 69.19,74.08 U802.4 ; U1301.36 v1(77.87,82.93) ; J1601.6 v1(68.34,83.96) ; TP1713.1 v1(87.95,21.91) ; U201.W9 53.57,81.87 v2(53.57,81.72) U201.Y8 ; v1(42.85,41.85) J1501.B1 ; J1001.5 v1(75.72,7.3) ; U201.T10 v2(51.62,83.32) ; U201.K11 v2(47.07,84.12)